# Altium PCB S7V10Logger.PcbDoc (part 2 of 2)
Units mm, origin at the board's own origin, x right, y up, seen from the top; angles counter-clockwise.
Board outline 60 x 71.5 mm, 4 copper layers (Top Layer, Ground Plane, Signal Layer 1, Bottom Layer), stack 2.08 mm thick; 77 components, 77 nets, 408 pads, 154 vias.
Unrouted connection lines stored in the file: 2.
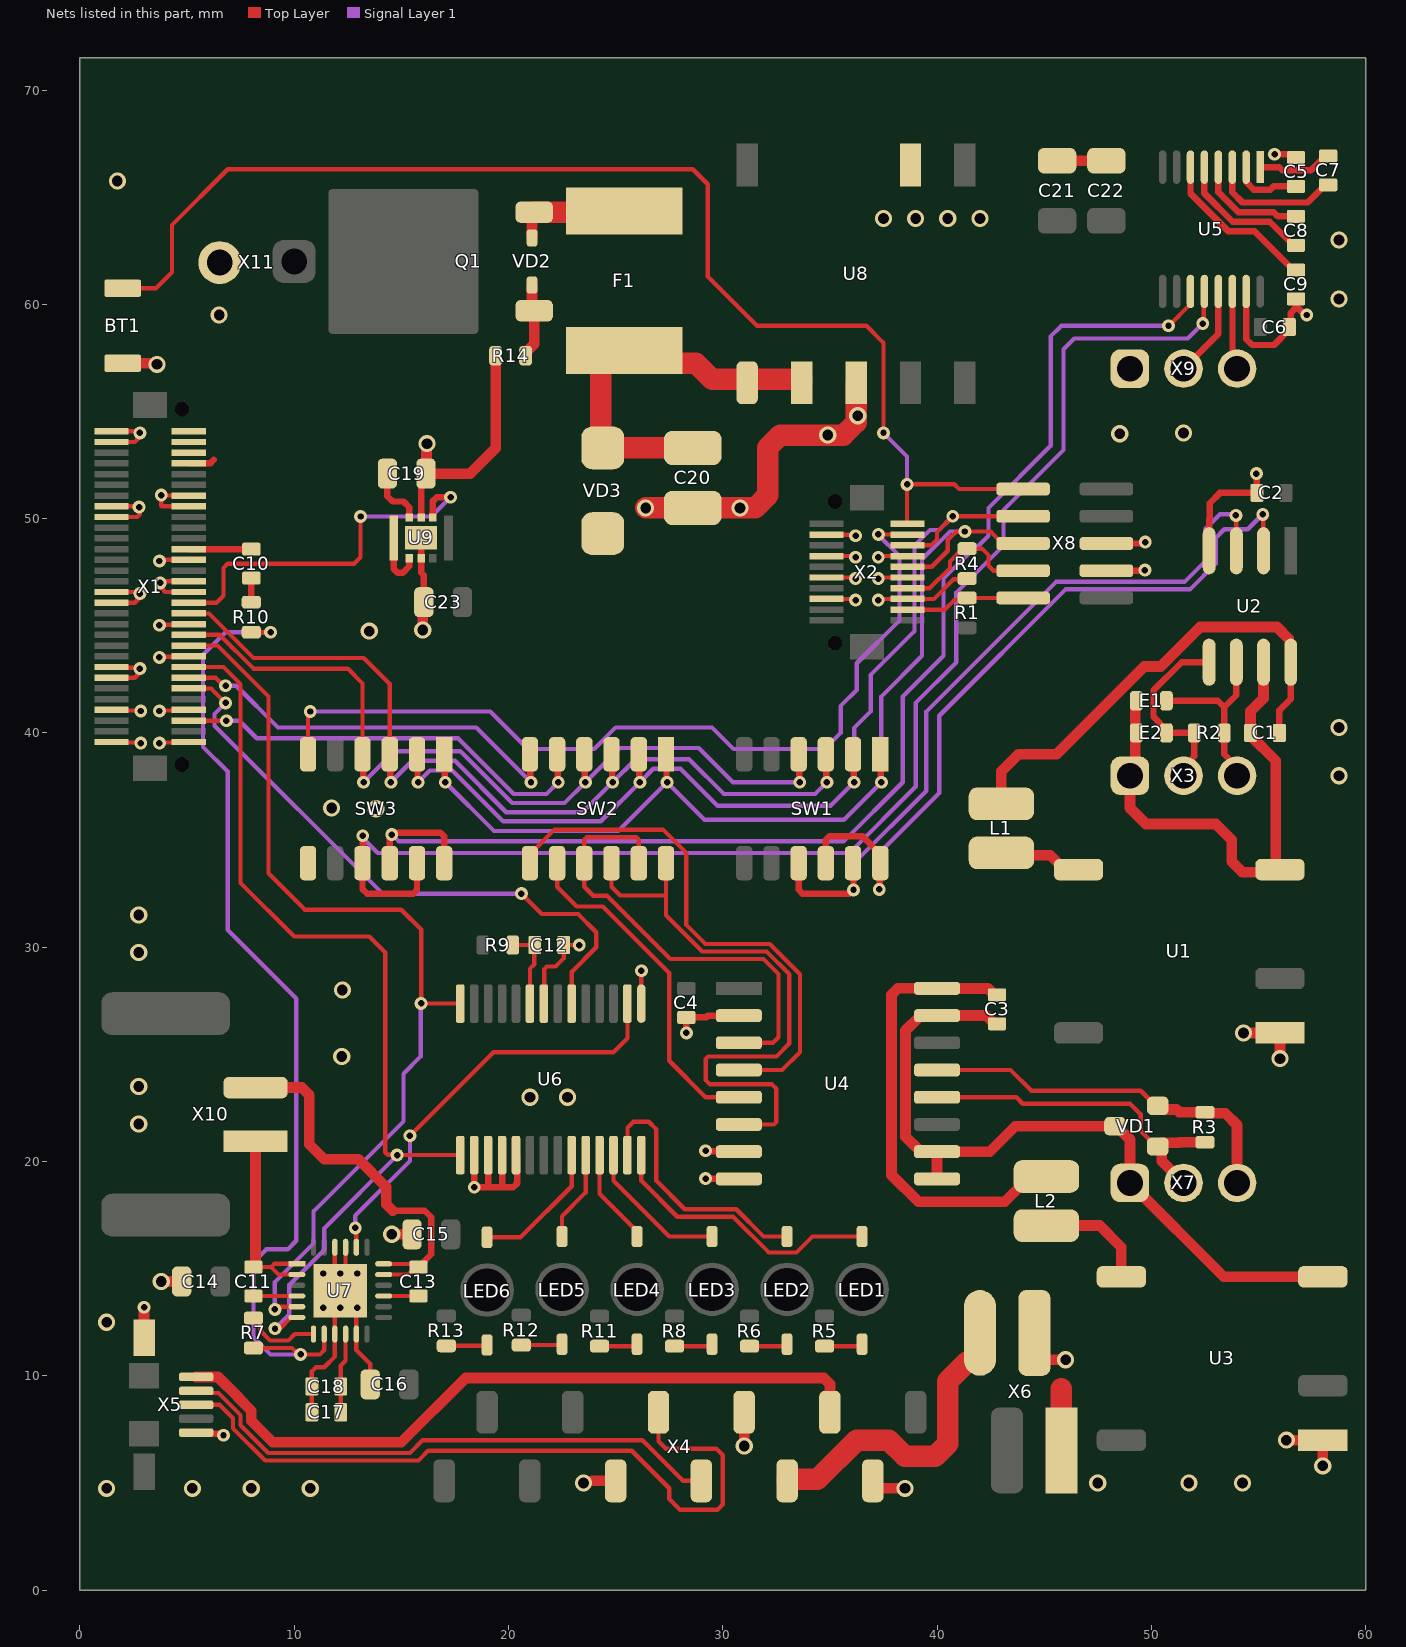
[diagram p4: the nets of this part, all layers, seen from the top]

## Via types
v1: diameter 0.6, hole 0.3, Top Layer to Bottom Layer, tented both sides, 79 vias
v2: diameter 0.8, hole 0.5, Top Layer to Bottom Layer, tented both sides, 69 vias
v3: diameter 0.7/0.7/0.7 (per signal layer), hole 0.3, Top Layer to Bottom Layer, tented both sides, 6 vias

## Nets (pads, with @x,y where several pads share a name; then routed paths per layer and width w, separated by ;. In a path a pad name is that pad's centre, name@x,y a point inside that pad or via, vN(x,y) a via of type N, cw(c..) or ccw(c..) an arc to the next point about the centre after c; other vN are vias at no path point) (continued)
BOOT_MODE: SW3.6 X2.9 | length 40.8
  Top Layer w0.2: SW3.6@10.65,39 10.65,40.9 v1(10.75,41) ; v1(37.263,49.265) 37.27,49.258 38.612,49.258 X2.9@38.619,49.251
  Signal Layer 1 w0.2: v1(10.75,41) 19.15,41 20.9,39.25 24,39.25 25,40.25 29.5,40.25 30.5,39.25 34.75,39.25 35.5,40 35.5,41.25 36.25,42 36.25,43.25 38.25,45.25 38.25,48.25 v1@37.25,49.25
CAN0H: E1.2 R2.2 U2.6 X3.1 | length 8.6
  Top Layer w0.3: E1.2@50.7,41.5 53.1,41.5 53.4,41.2 ; U2.6@53.965,43.3 53.965,41.765 53.4,41.2 ; X3.1@54,38 54,38.406 53.4,39.006 53.4,41.2
CAN0L: E2.2 R2.1 U2.5 X3.2 | length 8.9
  Top Layer w0.3: X3.2@51.5,38 51.5,38.406 52,38.906 R2.1@52,40 E2.2@50.7,40 50.7,40.15 50.1,40.75 50.1,41.986 51.414,43.3 U2.5@52.695,43.3
CAN_RX: SW1.9 SW1.11 U2.3 | length 35.7
  Top Layer w0.2: v1(53.943,50.151) 53.954,50.14 53.954,48.511 U2.3@53.965,48.5
  Top Layer w0.3: SW1.9@33.54,33.92 33.54,32.676 33.716,32.5 35.924,32.5 v1(36.1,32.676) 36.1,33.9 SW1.11@36.08,33.92
  Signal Layer 1 w0.2: v1(36.1,32.676) 36.1,33.9 39.5,37.3 39.5,41 45.55,47.05 51.55,47.05 52.5,48 52.5,49.5 53.2,50.2 v1@53.9,50.2
CAN_TX: SW1.10 SW1.12 U2.2 | length 36.4
  Top Layer w0.2: v1(55.2,50.2) 55.217,50.183 55.217,48.517 U2.2@55.235,48.5
  Top Layer w0.3: SW1.10@34.81,33.92 34.81,35.01 34.986,35.186 36.504,35.186 37.35,34.34 SW1.12@37.35,33.92 37.325,33.895 37.325,32.725 v1(37.3,32.7)
  Signal Layer 1 w0.2: v1(37.3,32.7) 37.3,34.4 40.1,37.2 40.1,40.8 46,46.7 51.8,46.7 53,47.9 53,49.1 53.4,49.5 54.5,49.5 v1(55.2,50.2)
EN3V3: U9.4 X1.44 | length 17.8
  Top Layer w0.2: X1.44@5.075,46.075 6.375,46.075 6.7,46.4 6.7,47.7 6.9,47.9 12.8,47.9 13.1,48.2 v1(13.1,50.1)
  Top Layer w0.3: U9.4@16.475,50.05 16.475,50.824 16.651,51 v1(17.3,51)
  Signal Layer 1 w0.2: v1(13.1,50.1) 16.4,50.1 v1(17.3,51)
GND: BT1.1 C2.2 C4.1 C5.2 C6.2 C9.1 C12.2 C14.2 C15.2 C16.2 C17.2 C18.2 C19.1 C20.2 C21.2 C22.2 C23.1 R4.2 R14.1 SW3.7 U1.1 U2.4 U3.1 U4.2 U4.7 U4.8 U5.15 U6.1 U6.8 U6.16 U6.17 U6.18 U6.19 U7.9 U7.11 U7.21 U7.22 U7.25 U8.3 U8.7 U9.2 U9.5 U9.9 VD3.2 X1.1 X1.2 X1.8 X1.9 X1.16 X1.17 X1.23 X1.24 X1.27 X1.30 X1.31 X1.34 X1.39 X1.42 X1.45 X1.46 X1.48 X1.53 X1.54 X2.3 X2.5 X2.7 X2.12 X2.14 X2.16 X2.18 X4.2 X4.5 X4.8 X5.5 X5.G1 X6.3 X6.4 X8.3 X8.5 X9.3 X11.2 | length 146.5
  Top Layer w0.2: X1.30@1.475,39.575 1.501,39.55 2.812,39.55 v1(2.838,39.524) ; X1.27@1.475,41.075 1.501,41.049 2.812,41.049 v1(2.838,41.024) ; X1.24@1.475,42.575 2.564,42.575 2.723,42.735 2.723,42.815 2.8,42.892 v1(2.8,43) 2.763,43.038 1.513,43.038 X1.23@1.475,43.075 ; X1.17@1.475,46.075 2.564,46.075 2.723,46.235 2.723,46.315 2.8,46.392 v1(2.8,46.5) 2.725,46.575 X1.16@1.475,46.575 ; X1.9@1.475,50.075 2.675,50.075 2.8,50.2 2.8,50.5 v1(2.763,50.537) 2.725,50.575 X1.8@1.475,50.575 ; X1.2@1.475,53.575 2.564,53.575 2.723,53.735 2.723,53.815 2.8,53.892 v1(2.8,54) 2.725,54.075 X1.1@1.475,54.075 ; v1(3.712,39.524) 3.738,39.55 5.05,39.55 X1.31@5.075,39.575 ; v1(3.712,41.024) 3.738,41.049 5.05,41.049 X1.34@5.075,41.075 ; v1(3.712,43.524) 3.738,43.55 5.05,43.55 X1.39@5.075,43.575 ; v1(3.712,45.024) 3.738,45.049 5.05,45.049 X1.42@5.075,45.075 ; v1(3.712,48.024) 3.763,48.075 X1.48@5.075,48.075 ; X1.45@5.075,46.575 3.986,46.575 3.827,46.735 3.827,46.815 3.75,46.892 v1(3.75,47) 3.825,47.075 X1.46@5.075,47.075 ; X1.53@5.075,50.575 3.825,50.575 3.8,50.6 v1(3.8,51.1) 3.825,51.075 X1.54@5.075,51.075 ; C17.2@10.825,8.3 C18.2@10.825,9.5 10.825,10.208 11.017,10.4 11.4,10.4 11.9,10.9 U7.9@11.9,11.95 11.9,13.725 U7.25@12.15,13.975 ; U7.22@11.9,16 11.9,14.225 U7.25@12.15,13.975 ; U7.25@12.4,14.775 U7.21@12.4,16 U7.21@12.41,16.01 ; C16.2@13.55,9.6 13.55,10.55 12.9,11.2 U7.11@12.9,11.95 12.9,13.225 U7.25@12.15,13.975 ; U6.8@21.65,27.37 21.675,27.395 21.675,28.983 21.792,29.1 22.2,29.1 22.575,29.475 C12.2@22.575,30.1 v1(23.3,30.1) ; U6.1@26.2,27.37 v1(26.2,28.9) ; X2.18@34.837,46.251 36.149,46.251 v1(36.2,46.2) ; X2.16@34.837,47.251 36.149,47.251 v1(36.2,47.2) ; X2.14@34.837,48.251 36.149,48.251 v1(36.2,48.2) ; X2.12@34.837,49.251 36.149,49.251 v1(36.2,49.2) ; v1(37.256,46.2) 37.307,46.251 X2.3@38.619,46.251 39.851,46.251 40.767,47.167 41.367,47.167 R4.2@41.4,47.2 ; v1(37.256,47.2) 37.307,47.251 X2.5@38.619,47.251 ; v1(37.256,48.2) 37.307,48.251 X2.7@38.619,48.251
  Top Layer w0.3: X5.5@5.427,7.35 5.477,7.3 6.55,7.3 6.62,7.23 v1(6.701,7.23) ; U9.9@15.925,49.1 U9.2@15.925,48.15 15.925,47.475 16.05,47.35 C23.1@16.05,46.1 C23.1@16,46.05 ; U9.5@15.925,50.05 15.925,51.875 C19.1@16.15,52.1 ; U6.16@18.4,20.3 v1(18.4,18.8) 19,18.8 ; U6.17@19.05,20.3 19.05,18.85 19,18.8 ; U6.18@19.7,20.3 19.7,18.888 19.612,18.8 ; U6.19@20.35,20.3 20.4,20.25 20.4,19.25 20.4,18.976 20.224,18.8 19.612,18.8 ; v1(28.3,26) 28.3,26.675 28.275,26.7 C4.1@28.3,26.725 29.225,26.725 29.31,26.81 U4.2@30.75,26.81 ; v1(29.2,19.2) 29.21,19.19 U4.8@30.75,19.19 ; v1(29.2,20.5) 29.22,20.48 30.73,20.48 U4.7@30.75,20.46 ; X8.3@47.9,47.57 v1@49.67,47.57 ; X8.5@47.9,48.84 49.64,48.84 v1@49.7,48.9 ; v1@49.67,47.6 v1(49.7,47.6) ; U2.4@52.695,48.5 52.695,49.995 52.718,50.018 52.718,50.718 53.2,51.2 C2.2@54.925,51.2 54.912,51.212 54.912,52.088 v1(54.9,52.1) ; U5.15@54.425,60.6 54.425,58.375 54.7,58.1 55.725,58.1 56.438,58.813 C6.2@56.438,58.938 56.496,58.996 56.496,59.596 56.725,59.825 ; v1(55.75,67) 57.025,67 56.875,66.85 C5.2@56.75,66.85 ; C9.1@56.75,60.25 56.725,60.225 56.725,59.825 ; v1(57.25,59.5) 57.169,59.5 56.844,59.825 56.725,59.825 ; 19,18.8 19.612,18.8
  Top Layer w0.5: BT1.1@2,57.25 3.55,57.25 v2(3.6,57.2) ; X5.G1@2.997,11.78 2.997,13.197 v1(3,13.2) ; v2(3.8,14.4) C14.2@4.75,14.4 ; v2(14.552,16.607) 14.555,16.604 15.496,16.604 C15.2@15.5,16.6 ; v2(16,44.8) C23.1@16,46.05 ; v2(16.2,53.5) 16.175,53.475 16.175,52.125 C19.1@16.15,52.1 18.2,52.1 19.4,53.3 R14.1@19.4,57.6 ; 23.9,5.1 X4.8@25,5.1 ; v2@31,6.728 X4.5@31,8.3 ; X4.2@37,5.1 37.35,4.75 v2(38.5,4.75) ; X6.3@44.79,10.41 44.79,10.51 45.03,10.75 v2(46,10.75) ; C21.2@45.6,66.7 C22.2@47.9,66.7 ; v2(54.3,26) U1.1@56,26 v2(56,24.8) ; v2(56.3,7) U3.1@58,7 v2(58,5.8)
  Top Layer w1: v2(26.4,50.5) C20.2@28.6,50.5 v2(30.8,50.5) 31.514,50.5 32.1,51.086 32.1,53.314 32.686,53.9 v2(34.9,53.9) 35.634,53.9 36.22,54.486 U8.3@36.22,56.34 ; 45.8,9.4 45.8,6.53 X6.4@45.81,6.52
  other v1: 49.717,48.903
  other v2: 1.25,4.75 5.25,4.75 8,4.75 10.75,4.75 23.5,5 47.5,5 51.75,5 54.25,5 31,6.725 1.25,12.5 2.75,21.75 21,23 22.75,23 2.75,23.5 12.219,24.9 12.25,28 2.75,29.75 2.75,31.5 13.825,36.46 11.75,36.5 58.75,38 58.75,40.25 13.5,44.75 48.522,53.96 51.5,54 36.3,54.8 6.5,59.5 58.75,60.25 58.75,63 37.5,64 39,64 40.5,64 42,64 1.75,65.75
  other v3: 11.35,13.175 12.15,13.175 12.95,13.175 11.35,14.775 12.15,14.775 12.95,14.775
HPL_P: C10.1 X1.49 | length 2.9
  Top Layer w0.3: X1.49@5.075,48.575 C10.1@8,48.575
IGND1: C1.1 E1.1 E2.1 U1.7 U2.7 X3.3 | length 24.5
  Top Layer w0.5: E1.1@49.3,41.5 49.25,41.45 49.25,38.25 X3.3@49,38 49,36.5 49.75,35.75 53,35.75 53.75,35 53.75,34 54.25,33.5 55.88,33.5 U1.7@56,33.62 55.8,33.82 55.8,38.7 54.625,39.875 C1.1@54.625,40 54.625,41.013 55.235,41.623 U2.7@55.235,43.3
IGND2: C3.1 U3.7 U4.9 U4.10 U4.15 VD1.3 X7.3 | length 35.3
  Top Layer w0.5: U4.9@40,19.19 U4.10@40,20.46 ; C3.1@42.8,26.425 42.75,26.475 42.625,26.475 42.29,26.81 U4.15@40,26.81 39.95,26.76 39.175,26.76 38.525,26.11 38.525,21.16 39.175,20.51 39.95,20.51 U4.10@40,20.46 ; U3.7@58,14.62 53.38,14.62 X7.3@49,19 49,21.025 48.375,21.65 VD1.3@48.3,21.65 43.65,21.65 42.46,20.46 U4.10@40,20.46
ISO5V_1: C1.2 L1.2 U2.8 | length 21.4
  Top Layer w0.3: C1.2@55.975,40 55.975,41.053 56.505,41.583 U2.8@56.505,43.3
  Top Layer w0.5: L1.2@43,36.69 43,38.2 43.8,39 45.572,39 49.672,43.1 50.436,43.1 52.276,44.94 55.86,44.94 56.4,44.4
ISO5V_2: C3.2 L2.2 U4.16 | length 21.8
  Top Layer w0.5: U4.16@40,28.08 38.175,28.08 37.875,27.78 37.875,19.374 39.128,18.121 43.156,18.121 44.335,19.3 L2.2@45.1,19.3 ; U4.16@40.002,28.078 42.372,28.078 42.675,27.775 C3.2@42.8,27.775
JTAG_TCLK/SWD_CLK: R4.1 X2.4 X8.4 | length 7.1
  Top Layer w0.2: X2.4@38.619,46.751 39.651,46.751 40.6,47.7 40.6,48 41.2,48.6 R4.1@41.4,48.6 42.1,48.6 42.4,48.3 42.4,47.8 42.63,47.57 X8.4@44.014,47.57
JTAG_TDI: SW1.2 SW2.2 SW3.2 X2.8 X8.8 | length 48.4
  Top Layer w0.2: X2.8@38.619,48.751 39.719,48.751 40,49.032 40,49.378 v1(40.732,50.11) X8.8@44.014,50.11
  Top Layer w0.3: SW3.2@15.73,39 15.755,38.975 15.755,37.725 v1(15.78,37.7) ; SW2.2@26.08,39 26.105,38.975 26.105,37.725 v1(26.13,37.7) ; SW1.2@36.08,39 36.105,38.975 36.105,37.725 v1(36.13,37.7)
  Signal Layer 1 w0.2: v1(15.78,37.7) 16.33,38.25 17.375,38.25 19.75,35.875 24.305,35.875 v1(26.13,37.7) 26.755,38.325 28.025,38.325 29.75,36.6 35.03,36.6 v1(36.13,37.7) 36.13,40.23 36.9,41 36.9,42.7 38.95,44.75 38.95,48.75 39.667,49.467 40.089,49.467 v1(40.732,50.11)
JTAG_TDO/TRACE_SWO: SW1.1 SW2.1 SW3.1 X2.6 X8.6 | length 48
  Top Layer w0.2: X2.6@38.619,47.751 39.751,47.751 40.5,48.5 40.5,49 40.9,49.4 v1(41.3,49.4) 42.5,49.4 43.06,48.84 X8.6@44.014,48.84
  Top Layer w0.3: SW3.1@17,39 17.025,38.975 17.025,37.725 v1(17.05,37.7) ; SW2.1@27.35,39 27.375,38.975 27.375,37.725 v1(27.4,37.7) ; SW1.1@37.35,39 37.375,38.975 37.375,37.725 v1(37.4,37.7)
  Signal Layer 1 w0.2: v1(17.05,37.7) 19.325,35.425 25.125,35.425 v1(27.4,37.7) 29.15,35.95 35.65,35.95 v1(37.4,37.7) 37.4,41.7 39.3,43.6 39.3,48.1 40.6,49.4 v1(41.3,49.4)
JTAG_TMS/SWD_DIO: R1.1 X2.2 X8.2 | length 5.6
  Top Layer w0.2: X2.2@38.619,45.751 40.351,45.751 40.807,46.207 41.307,46.207 R1.1@41.4,46.3 X8.2@44.014,46.3
MUTE: U6.2 U7.20 | length 19.9
  Top Layer w0.2: v1(12.85,16.9) 12.9,16.85 U7.20@12.9,16 ; v1(15.4,21.2) 19.3,25.1 24.9,25.1 25.55,25.75 U6.2@25.55,27.37
  Signal Layer 1 w0.2: v1(12.85,16.9) 12.85,17.475 15.4,20.025 v1(15.4,21.2)
NetC5_1: C5.1 U5.2 | length 3.2
  Top Layer w0.3: U5.2@54.425,66.4 54.435,66.39 54.435,65.691 54.776,65.35 55.55,65.35 55.7,65.5 C5.1@56.75,65.5
NetC7_1: C7.1 U5.3 | length 6.2
  Top Layer w0.3: U5.3@53.775,66.4 53.775,65.225 54.25,64.75 57.3,64.75 58.125,65.575 C7.1@58.25,65.575
NetC7_2: C7.2 U5.1 | length 3.5
  Top Layer w0.3: U5.1@55.075,66.4 55.97,66.4 56.12,66.25 57.45,66.25 58.125,66.925 C7.2@58.25,66.925
NetC8_1: C8.1 U5.5 | length 6.5
  Top Layer w0.3: U5.5@52.475,66.4 52.475,65.17 53.795,63.85 55.525,63.85 56.625,62.75 C8.1@56.75,62.75
NetC8_2: C8.2 U5.4 | length 5.3
  Top Layer w0.3: U5.4@53.125,66.4 53.125,65.239 54.064,64.3 55.711,64.3 55.911,64.1 C8.2@56.75,64.1
NetC9_2: C9.2 U5.6 | length 7.6
  Top Layer w0.3: U5.6@51.825,66.4 51.825,65.17 53.595,63.4 54.825,63.4 56.625,61.6 C9.2@56.75,61.6
NetC10_2: C10.2 R10.1 | length 1.1
  Top Layer w0.3: R10.1@8,46.1 C10.2@8,47.225
NetC11_1: C11.1 U7.1 U7.2 X10.1 | length 9.3
  Top Layer w0.2: C11.1@8.1,15.075 8.15,15.075 8.925,15.075 ; U7.2@10.125,14.725 9.275,14.725 8.925,15.075 ; U7.1@10.125,15.225 9.075,15.225 8.925,15.075
  Top Layer w0.5: C11.1@8.15,15.075 8.2,15.125 X10.1@8.2,20.95
NetC11_2: C11.2 U7.4 | length 2
  Top Layer w0.2: C11.2@8.1,13.725 U7.4@10.125,13.725
NetC12_1: C12.1 R9.1 U6.9 | length 3.8
  Top Layer w0.2: R9.1@20.2,30.1 C12.1@21.225,30.1 21.2,30.075 21.2,29.2 21,29 U6.9@21,27.37
NetC13_1: C13.1 U7.15 | length 1.6
  Top Layer w0.2: U7.15@14.175,13.725 C13.1@15.8,13.725
NetC13_2: C13.2 U7.17 U7.18 X10.2 | length 18.6
  Top Layer w0.2: U7.17@14.175,14.725 15.325,14.725 15.675,15.075 C13.2@15.8,15.075 15.659,15.215 14.185,15.215 U7.18@14.175,15.225
  Top Layer w0.3: 14.6,17.7 16.1,17.7 16.4,17.4 16.4,15.675 16.075,15.35 16.075,15.225 15.925,15.075 C13.2@15.8,15.075
  Top Layer w0.5: X10.2@8.2,23.45 10.35,23.45 10.7,23.1 10.7,20.8 11.4,20.1 13,20.1 14.3,18.8 14.3,18 14.6,17.7
NetC17_1: C17.1 C18.1 U7.10 | length 3.7
  Top Layer w0.2: C17.1@12.175,8.3 C18.1@12.175,9.5 12.175,10.475 12.4,10.7 U7.10@12.4,11.95
NetC20_1: C20.1 F1.2 U8.1 U8.2 VD3.1 | length 18.5
  Top Layer w1: C20.1@28.6,53.3 VD3.1@24.4,53.3 24.3,53.4 24.3,57.25 24.9,57.85 F1.2@25.4,57.85 26,57.25 28.75,57.25 29.5,56.5 33.68,56.5 U8.2@33.68,56.34
NetF1_1: F1.1 Q1.3 VD2.2 | length 5.5
  Top Layer w0.5: VD2.2@21.1,63.1 21.1,64.2 Q1.3@21.2,64.3
  Top Layer w1: Q1.3@21.2,64.3 25.35,64.3 F1.1@25.4,64.35
NetL1_1: L1.1 U1.8 | length 3.9
  Top Layer w0.5: L1.1@43,34.4 43.105,34.295 45.275,34.295 45.95,33.62 U1.8@46.6,33.62
NetL2_1: L2.1 U3.8 | length 5.3
  Top Layer w0.5: L2.1@45.1,17.01 47.59,17.01 48.6,16 U3.8@48.6,14.62
NetLED1_1: LED1.1 R5.1 | length 1.8
  Top Layer w0.2: R5.1@34.75,11.386 36.41,11.386 LED1.1@36.5,11.475
NetLED1_2: LED1.2 U6.28 | length 13.2
  Top Layer w0.2: U6.28@26.2,20.3 26.2,19.1 27.875,17.425 30.475,17.425 32.15,15.75 33.441,15.75 34.191,16.5 LED1.2@36.5,16.5
NetLED2_1: LED2.1 R6.1 | length 1.8
  Top Layer w0.2: R6.1@31.25,11.386 32.91,11.386 LED2.1@33,11.475
NetLED2_2: LED2.2 U6.27 | length 12.5
  Top Layer w0.2: U6.27@25.55,20.3 25.55,21.578 25.83,21.858 26.542,21.858 26.9,21.5 26.9,19.1 28.225,17.775 30.625,17.775 31.9,16.5 LED2.2@33,16.5
NetLED3_1: LED3.1 R8.1 | length 1.8
  Top Layer w0.2: R8.1@27.75,11.386 29.41,11.386 LED3.1@29.5,11.475
NetLED3_2: LED3.2 U6.26 | length 6.9
  Top Layer w0.2: U6.26@24.9,20.3 24.9,19.1 27.5,16.5 LED3.2@29.5,16.5
NetLED4_1: LED4.1 R11.1 | length 1.8
  Top Layer w0.2: R11.1@24.25,11.386 25.91,11.386 LED4.1@26,11.475
NetLED4_2: LED4.2 U6.25 | length 4.5
  Top Layer w0.2: U6.25@24.25,20.3 24.25,18.5 26,16.75 LED4.2@26,16.5
NetLED5_1: LED5.1 R12.1 | length 1.9
  Top Layer w0.2: R12.1@20.6,11.436 22.46,11.436 LED5.1@22.5,11.475
NetLED5_2: LED5.2 U6.24 | length 4.3
  Top Layer w0.2: LED5.2@22.5,16.5 22.5,17.449 23.6,18.549 U6.24@23.6,20.3
NetLED6_1: LED6.1 R13.1 | length 1.9
  Top Layer w0.2: R13.1@17.1,11.4 18.96,11.4 LED6.1@19,11.44
NetLED6_2: LED6.2 U6.23 | length 6.4
  Top Layer w0.2: LED6.2@19,16.464 20.564,16.464 22.95,18.85 U6.23@22.95,20.3
NetQ1_1: Q1.1 R14.2 VD2.1 | length 3.5
  Top Layer w0.5: R14.2@20.8,57.6 20.8,57.75 21.2,58.15 Q1.1@21.2,59.7 21.1,59.8 VD2.1@21.1,60.9
NetR3_1: R3.1 U4.12 VD1.1 X7.2 | length 15.9
  Top Layer w0.2: U4.12@40,23 43.7,23 44,22.7 49,22.7 49.5,22.2 49.5,21.425 50.225,20.7 VD1.1@50.3,20.7
  Top Layer w0.5: VD1.1@50.3,20.7 50.306,20.7 50.481,20.525 50.481,20.019 X7.2@51.5,19 ; VD1.1@50.475,20.875 51.275,20.875 51.3,20.9 R3.1@52.5,20.9
NetR3_2: R3.2 U4.13 VD1.2 X7.1 | length 17.8
  Top Layer w0.2: U4.13@40,24.27 43.43,24.27 44.4,23.3 49.5,23.3 50.2,22.6 VD1.2@50.3,22.6
  Top Layer w0.5: VD1.2@50.3,22.6 50.475,22.425 51.175,22.425 51.3,22.3 R3.2@52.5,22.3 52.55,22.25 53.45,22.25 54,21.7 X7.1@54,19
NetR7_1: R7.1 R10.2 U7.8 | length 46.3
  Top Layer w0.2: R10.2@8,44.7 v1(8.9,44.7) ; R7.1@8.1,11.3 9.892,11.3 10.192,11 11.2,11 11.4,11.2 U7.8@11.4,11.95
  Signal Layer 1 w0.2: v1(8.9,44.7) 6.8,44.7 5.75,43.65 5.75,39.35 6.9,38.2 6.9,30.8 10.1,27.6 10.1,16.3 9.7,15.9 8.7,15.9 8.1,15.3 8.1,11.8 8.9,11 v1(10.3,11)
NetR7_2: R7.2 U7.7 | length 3.6
  Top Layer w0.2: R7.2@8.1,12.7 8.223,12.7 8.419,12.504 8.419,12.111 8.877,11.653 9.728,11.653 10.025,11.95 U7.7@10.9,11.95
NetU5_13: U5.13 X9.2 | length 4.3
  Top Layer w0.3: X9.2@51.5,57 53.115,58.615 53.115,60.59 U5.13@53.125,60.6
NetU5_14: U5.14 X9.1 | length 3.7
  Top Layer w0.3: U5.14@53.775,60.6 53.785,60.59 53.785,57.215 X9.1@54,57
NetU9_1: U9.1 U9.7 | length 2.7
  Top Layer w0.3: U9.7@14.65,49.1 14.65,47.651 14.826,47.475 15.074,47.475 15.375,47.776 U9.1@15.375,48.15
P912: SW2.5 X1.33 | length 20.2
  Top Layer w0.2: X1.33@5.075,40.575 5.08,40.57 6.83,40.57 v1(6.834,40.566)
  Top Layer w0.3: SW2.5@22.27,39 22.295,38.975 22.295,37.725 v1(22.32,37.7)
  Signal Layer 1 w0.2: v1(6.834,40.566) 7.434,40.566 8.25,39.75 17.645,39.75 20.245,37.15 21.77,37.15 v1(22.32,37.7)
P913: SW2.6 X1.37 | length 19.3
  Top Layer w0.2: X1.37@5.075,42.575 6.326,42.575 6.701,42.2 v1(6.8,42.2)
  Top Layer w0.3: SW2.6@21,39 21.025,38.975 21.025,37.725 v1(21.05,37.7)
  Signal Layer 1 w0.2: v1(6.8,42.2) 7.3,42.2 9.25,40.25 18.5,40.25 v1(21.05,37.7)
PA02: U6.6 X1.36 | length 28.9
  Top Layer w0.2: X1.36@5.075,42.075 6.125,42.075 v1(6.8,41.4) ; v1(20.6,32.5) 21.55,31.55 23.25,31.55 24.1,30.7 24.1,30 22.95,28.85 U6.6@22.95,27.37
  Signal Layer 1 w0.2: v1(6.8,41.4) 6.284,40.884 6.284,40.338 14.122,32.5 v1(20.6,32.5)
RESET: BT1.2 X2.10 X8.10 | length 59.4
  Top Layer w0.2: BT1.2@2,60.75 3.55,60.75 4.3,61.5 4.3,63.7 6.9,66.3 28.6,66.3 29.3,65.6 29.3,61.3 31.6,59 36.7,59 37.5,58.2 v1(37.5,54) ; X2.10@38.619,49.751 38.6,49.77 v1(38.6,51.6) 40.8,51.6 41.02,51.38 43.037,51.38 X8.10@44.014,51.38
  Signal Layer 1 w0.2: v1(37.5,54) 38.6,52.9 v1(38.6,51.6)
RS485_DE: SW2.8 U4.5 | length 16
  Top Layer w0.2: SW2.8@22.27,33.92 22.27,32.82 23.19,31.9 24.4,31.9 27.5,28.8 27.5,24.7 29.2,23 U4.5@30.75,23
RS485_RE: SW2.7 U4.4 | length 25.1
  Top Layer w0.2: SW2.7@21,33.92 21,34.34 22.147,35.487 27.205,35.487 28.3,34.392 28.3,31.039 29.189,30.15 32.189,30.15 33.6,28.739 33.6,25.1 32.77,24.27 U4.4@30.75,24.27
RS485_RX: SW2.9 SW2.11 U4.3 | length 21.6
  Top Layer w0.2: SW2.11@26.08,33.92 26.08,35.02 25.963,35.137 23.657,35.137 23.54,35.02 23.54,32.82 23.96,32.4 24.6,32.4 27.55,29.45 31.899,29.45 32.6,28.749 32.6,25.8 32.34,25.54 U4.3@30.75,25.54
RS485_TX: SW2.10 SW2.12 U4.6 | length 28.4
  Top Layer w0.2: SW2.10@24.81,33.92 24.81,32.82 25.213,32.417 27.35,32.417 ; SW2.12@27.35,33.92 27.35,32.417 ; U4.6@30.75,21.73 32.383,21.73 32.5,21.847 32.5,23.4 32.3,23.6 29.4,23.6 29.2,23.8 29.2,24.783 29.317,24.9 32.5,24.9 33.1,25.5 33.1,28.744 32.044,29.8 29.044,29.8 27.35,31.494 27.35,32.417
SCL: U6.14 U7.5 X1.40 | length 44.6
  Top Layer w0.2: X1.40@5.075,44.075 6.425,44.075 8.8,41.7 8.8,33.45 10.5,31.75 15,31.75 15.926,30.824 15.926,27.37 U6.14@17.75,27.37 ; v1(9.1,13.1) 9.225,13.225 U7.5@10.125,13.225
  Signal Layer 1 w0.2: v1(9.1,13.1) 9.1,14.375 10.9,16.175 10.9,17.675 15.1,21.875 15.1,24.1 15.9,24.9 v1@15.9,27.4
  other v1: 15.926,27.379
SDA: U6.15 U7.6 X1.38 | length 44.7
  Top Layer w0.2: X1.38@5.075,43.075 6.703,43.075 7.5,42.278 7.5,33 10,30.5 13.5,30.5 14.25,29.75 14.25,20.433 14.367,20.316 14.784,20.316 14.8,20.3 U6.15@17.75,20.3 ; v1@9.1,12.2 9.325,12.2 9.85,12.725 U7.6@10.125,12.725
  Signal Layer 1 w0.2: v1(9.104,12.203) 9.775,12.874 9.775,14.25 11.4,15.875 11.4,16.875 14.8,20.275 v1(14.8,20.3)
SPI1_MISO: SW1.4 SW2.4 SW3.4 X1.41 | length 40
  Top Layer w0.2: X1.41@5.075,44.575 6.53,44.575 8.105,43 12.5,43 13.19,42.31 SW3.4@13.19,39
  Top Layer w0.3: SW3.4@13.19,39 13.215,38.975 13.215,37.725 v1(13.24,37.7) ; SW2.4@23.54,39 23.565,38.975 23.565,37.725 v1(23.59,37.7) ; SW1.4@33.54,39 33.565,38.975 33.565,37.725 v1(33.59,37.7)
  Signal Layer 1 w0.2: v1(13.24,37.7) 14.69,39.15 17.75,39.15 20.175,36.725 22.615,36.725 v1(23.59,37.7) 25.19,39.3 28.875,39.3 30.475,37.7 v1(33.59,37.7)
SPI1_MOSI: SW1.3 SW2.3 SW3.3 X1.43 | length 41.7
  Top Layer w0.2: X1.43@5.075,45.575 6.025,45.575 8.1,43.5 13.25,43.5 14.46,42.29 SW3.3@14.46,39
  Top Layer w0.3: SW3.3@14.46,39 14.485,38.975 14.485,37.725 v1(14.51,37.7) ; SW2.3@24.81,39 24.835,38.975 24.835,37.725 v1(24.86,37.7) ; SW1.3@34.81,39 34.835,38.975 34.835,37.725 v1(34.86,37.7)
  Signal Layer 1 w0.2: v1(14.51,37.7) 15.51,38.7 17.5,38.7 19.9,36.3 23.46,36.3 v1(24.86,37.7) 25.935,38.775 28.425,38.775 30.05,37.15 34.31,37.15 v1(34.86,37.7)
SYSV: C19.2 U9.6 X1.57 X1.58 X1.59 X1.60 | length 4
  Top Layer w0.3: X1.57@5.075,52.575 6.075,52.575 6.25,52.75 ; C19.2@14.35,52.1 14.35,51.05 14.6,50.8 15.1,50.8 15.375,50.525 U9.6@15.375,50.05
UART_RX: SW3.9 SW3.11 U5.12 | length 65.7
  Top Layer w0.2: v1(52.4,59.1) 52.446,59.146 52.446,60.571 U5.12@52.475,60.6
  Top Layer w0.3: v1(13.2,35.2) 13.195,35.195 13.195,33.925 SW3.9@13.19,33.92 13.19,32.71 13.406,32.494 15.554,32.494 15.73,32.67 SW3.11@15.73,33.92
  Signal Layer 1 w0.2: v1(13.2,35.2) 13.2,35.1 13.9,34.4 35.91,34.4 39,37.49 39,41.4 40.9,43.3 40.9,46.55 43.1,48.75 43.1,50.4 45.9,53.2 45.9,57.9 46.4,58.4 51.7,58.4 v1(52.4,59.1)
UART_TX: SW3.10 SW3.12 U5.11 | length 61.7
  Top Layer w0.2: v1(50.8,59) 50.815,59 51.825,60.01 U5.11@51.825,60.6
  Top Layer w0.3: SW3.10@14.46,33.92 14.46,35.16 v1(14.553,35.253) 14.646,35.346 16.824,35.346 17,35.17 SW3.12@17,33.92
  Signal Layer 1 w0.2: v1(14.553,35.253) 14.567,35.253 14.87,34.95 35.65,34.95 38.4,37.7 38.4,41.7 40.3,43.6 40.3,47.2 41.6,48.5 41.7,48.5 42.4,49.2 42.4,50.5 45.3,53.4 45.3,58.5 45.8,59 v1(50.8,59)
USB_N: X4.6 X5.2 | length 26.1
  Top Layer w0.2: X5.2@5.427,9.3 5.527,9.2 6.465,9.2 7.5,8.165 7.5,7.693 8.793,6.4 15.4,6.4 16,7 26.245,7 28.145,5.1 X4.6@29,5.1
USB_P: X4.7 X5.3 | length 34.6
  Top Layer w0.2: X5.3@5.427,8.65 6.52,8.65 7.15,8.02 7.15,7.548 8.648,6.05 15.8,6.05 16.25,6.5 25.75,6.5 27.5,4.75 27.5,4.25 28,3.75 29.75,3.75 30,4 30,6.3 29.7,6.6 27.347,6.6 27,6.947 X4.7@27,8.3
USB_VBUS: X4.3 X5.1 | length 33.8
  Top Layer w0.5: X5.1@5.427,9.95 6.45,9.95 7.4,9 7.4,8.972 8,8.372 8,7.9 9,6.9 15,6.9 18,9.9 34.707,9.9 35,9.607 X4.3@35,8.3
VBAT: X4.4 X6.1 | length 14.9
  Top Layer w1: X4.4@33,5.1 33,5.164 34.414,5.164 36.25,7 37.75,7 38.5,6.25 39.914,6.25 40.5,6.836 40.5,9.75 41.404,10.654 41.769,10.654 42,10.885 X6.1@42,12
pads on no net: LED1.MH0 LED2.MH0 LED3.MH0 LED4.MH0 LED5.MH0 LED6.MH0 SW1.5 SW1.6 SW1.7 SW1.8 SW3.5 SW3.8 U1.14 U3.14 U4.11 U4.14 U5.7 U5.8 U5.9 U5.10 U6.3 U6.4 U6.5 U6.7 U6.10 U6.11 U6.12 U6.13 U6.21 U6.22 U7.13 U8.6 U8.10 X1.3 X1.4 X1.5 X1.6 X1.7 X1.10 X1.11 X1.12 X1.13 X1.14 X1.15 X1.18 X1.19 X1.20 X1.21 X1.22 X1.25 X1.26 X1.28 X1.29 X1.32 X1.35 X1.47 X1.50 X1.51 X1.52 X1.55 X1.56 X1.MH1 X1.MH2 X1.MP1 X1.MP2 X2.11 X2.13 X2.15 X2.17 X2.19 X2.MH1 X2.MH2 X2.MP1 X2.MP2 X4.9 X4.10 X4.11 X4.12 X5.4 X5.G2 X5.G3 X5.G4 X6.2 X8.7 X8.9 X10.M1 X10.M2

## Polygon pours and split planes (outlines as drawn)
NetU9_1 on Top Layer "NETU9_1_L01_P011" (solid, remove dead copper, pour order 11): 14.5,48.5 14.5,47.5 14.75,47.25 15.25,47.25 15.5,47.5 15.5,48.25 15,48.25 14.75,48.5
+5V0 on Top Layer "+5V0_L01_P008" (solid, remove dead copper, pour order 8): 38.25,57 38.75,57.5 43.5,57.5 43.75,57.75 43.75,63.5 45,64.75 49,64.75 49.5,64.25 49.5,63.5 45.75,59.75 45.75,55.75 43.75,53.75 38.75,53.75 38.25,54.25
+5V0 on Top Layer "+5V0_L01_P007" (solid, remove dead copper, pour order 7): 38.5,9.25 37.318,10.432 37.318,12.568 38.5,13.75 40.5,13.75 41,13.25 41,10.75 39.5,9.25
GND on Top Layer "GND_L01_P004" (solid, remove dead copper, pour order 4): 0,71.5 0,0 60,0 60,71.5
+3V3 on Top Layer "+3V3_L01_P002" (solid, remove dead copper, pour order 2): 16.5,29.15 17.103,28.547 33.797,28.547 35,29.75 35,46.25 33.5,47.75 18.09,47.75 17.47,48.37 16.227,48.37 16.227,47.585 16.5,47.312
SYSV on Top Layer "SYSV_L01_P000" (solid, remove dead copper, pour order 0): 4.5,54.5 14.5,54.5 15.5,53.5 15.5,50.75 9.05,50.75 7.4,52.4 4.5,52.4
GND on Bottom Layer "GND_L04_P005" (solid, remove dead copper, pour order 5): 0,71.5 0,0 60,0 60,71.5
GND on Signal Layer 1 "GND_L03_P010" (solid, remove dead copper, pour order 10): 0,71.5 0,0 60,0 60,71.5
+3V3 on Signal Layer 1 "+3V3_L03_P009" (solid, remove dead copper, pour order 9): 14.25,29.5 14.25,5.25 18.25,1.25 57.5,1.25 59.25,3 59.25,28.5 57.5,30.25 54.5,30.25 53.5,29.25 53.5,27.75 54,27.25 55,27.25 56.75,25.5 56.75,14.5 51,8.75 43.5,8.75 40.75,11.5 40.75,30 38.5,32.25 17,32.25
+5V0 on Signal Layer 1 "+5V0_L03_P006" (solid, remove dead copper, pour order 6): 38,58 7.75,58 6.25,56.5 6.25,55 4.75,53.5 2,53.5 0.5,52 0.5,18.5 5.25,13.75 5.25,11.25 7.25,9.25 11.75,9.25 15.5,13 15.5,18.75 15.25,19 14.75,18.5 14.75,14.75 10.5,10.5 9,10.5 7.5,12 7.5,14.75 5.25,17 5.25,35.75 2.25,38.75 2.25,50.5 3.25,51.5 7.25,51.5 9.25,53.5 43,53.5 45,55.5 45,58.75 46.25,60 52.75,60 56,56.75 56,48.5 53.25,45.75 46,45.75 40.75,40.5 40.75,15.25 37,11.5 37,9.75 38,8.75 42.75,8.75 45.25,11.25 45.25,39 48,41.75 54.75,41.75 59.25,46.25 59.25,57 53.5,62.75 42.75,62.75 40.75,60.75
GND on Ground Plane (split plane): 59.49,0.51 0.51,0.51 0.51,70.99 59.49,70.99

## Other copper
Top Layer:
  pour cut-out: 14.85,49.875 17,49.875 17,48.325 14.85,48.325
  pour cut-out: 35.5,19.25 42.75,12 60,12 60,47.5 51.25,47.5 47.5,43.75 41,43.75 38.5,41.25 38.5,34.75 35.5,31.75
  pour cut-out: 0,4 0,0 60,0 60,4
  pour cut-out: 0,71.5 0,67.5 60,67.5 60,71.5
Bottom Layer:
  pour cut-out: 0,71.5 0,67.5 60,67.5 60,71.5
  pour cut-out: 0,4 0,0 60,0 60,4

## Silkscreen, mask and mechanical layers (free items; w line width, h text height)
Top Overlay:
  lines w0.15: 0.325,4 59.7,4 ; 0.325,67.5 59.675,67.5
Bottom Overlay:
  circle w0.15: c6.5,57.25 r1.3
  circle w0.15: c10,57.25 r1.3
  lines w0.5: 5.75,57.25 7.25,57.25 ; 9.25,57.25 10.75,57.25 ; 10,56.5 10,58
  text "GND" at 48.004,61.754 h1.4 r270
  text "RX" at 50.504,61.754 h1.4 r270
  text "TX" at 53.254,61.754 h1.4 r270
  text "POWER" at 16.504,59.504 h1.4 r270
  text "+8...26V" at 13.754,55.254 h1.52 r270
  text "RS-232" at 57.004,53.254 h1.4 r270
  text "COM" at 48.254,43.004 h1.4 r270
  text "L" at 50.754,43.004 h1.4 r270
  text "H" at 53.254,43.004 h1.4 r270
  text "CAN" at 57.004,36.504 h1.4 r270
  text "COM" at 48.254,24.004 h1.4 r270
  text "A" at 51.004,24.004 h1.4 r270
  text "B" at 53.504,24.004 h1.4 r270
  text "SYSTEM" at 21.754,16.004 h1.4 r270
  text "INTERFACE" at 25.254,16.004 h1.4 r270
  text "WIFI" at 28.754,16.004 h1.4 r270
  text "INTERNET" at 32.254,16.004 h1.4 r270
  text "CLOUD" at 35.754,16.004 h1.4 r270
  text "CHARGING" at 18.254,15.968 h1.4 r270
  text "RS-485" at 57.004,15.254 h1.4 r270
Mechanical 1:
  the board outline again, w0.01
Mechanical 2:
  lines w0.15: -23.94,17.675 -19.94,17.675 ; -23.94,66.675 -19.94,66.675 ; -19.94,13.675 -19.94,17.675 ; -19.94,21.675 -19.94,17.675 ; -19.94,62.675 -19.94,66.675 ; -19.94,70.675 -19.94,66.675 ; -15.94,17.675 -19.94,17.675 ; -15.94,66.675 -19.94,66.675 ; 5.06,63.675 9.06,63.675 ; 9.06,67.675 9.06,63.675 ; 13.06,63.675 9.06,63.675 ; 75.26,17.675 79.26,17.675 ; 75.26,66.675 79.26,66.675 ; 79.26,13.675 79.26,17.675 ; 79.26,21.675 79.26,17.675 ; 79.26,62.675 79.26,66.675 ; 79.26,70.675 79.26,66.675 ; 83.26,17.675 79.26,17.675 ; 83.26,66.675 79.26,66.675

## Text inside footprints (layer, text, board x,y; h text height)
U1: Top Overlay "IN" at 58,26.9 h0.6 r90; Top Overlay "+" at 58,28.4 h0.6 r90; Top Overlay "-" at 58,25.86 h0.6 r90; Top Overlay "-VOUT" at 57.3,34.4 h0.6 r90; Top Overlay "+VOUT" at 45.7,34.3 h0.6 r90
U3: Top Overlay "IN" at 59.525,7.825 h0.6 r90; Top Overlay "+" at 59.725,9.375 h0.6 r90; Top Overlay "-" at 59.775,6.85 h0.6 r90; Top Overlay "-VOUT" at 59.3,15.4 h0.6 r90; Top Overlay "+VOUT" at 47.7,15.3 h0.6 r90
X6: Top Overlay "4" at 47.08,5.069 h0.8; Top Overlay "1" at 40.476,12.435 h0.8
X8: Top Overlay "1" at 49.875,46.225 h0.6 r90; Top Overlay "9" at 49.875,51.175 h0.6 r90; Top Overlay "10" at 42.025,51.825 h0.6 r270; Top Overlay "2" at 42.025,46.475 h0.6 r270